# Altium PCB 电解模块主控板_V1.1_ZM_20210918.PcbDoc (part 2 of 2)
Units mil, origin at the board's own origin, x right, y up, seen from the top; angles counter-clockwise.
Board outline 5915.54 x 3947.37 mil, 2 copper layers (Top Layer, Bottom Layer); 200 components, 153 nets, 656 pads, 1536 vias.
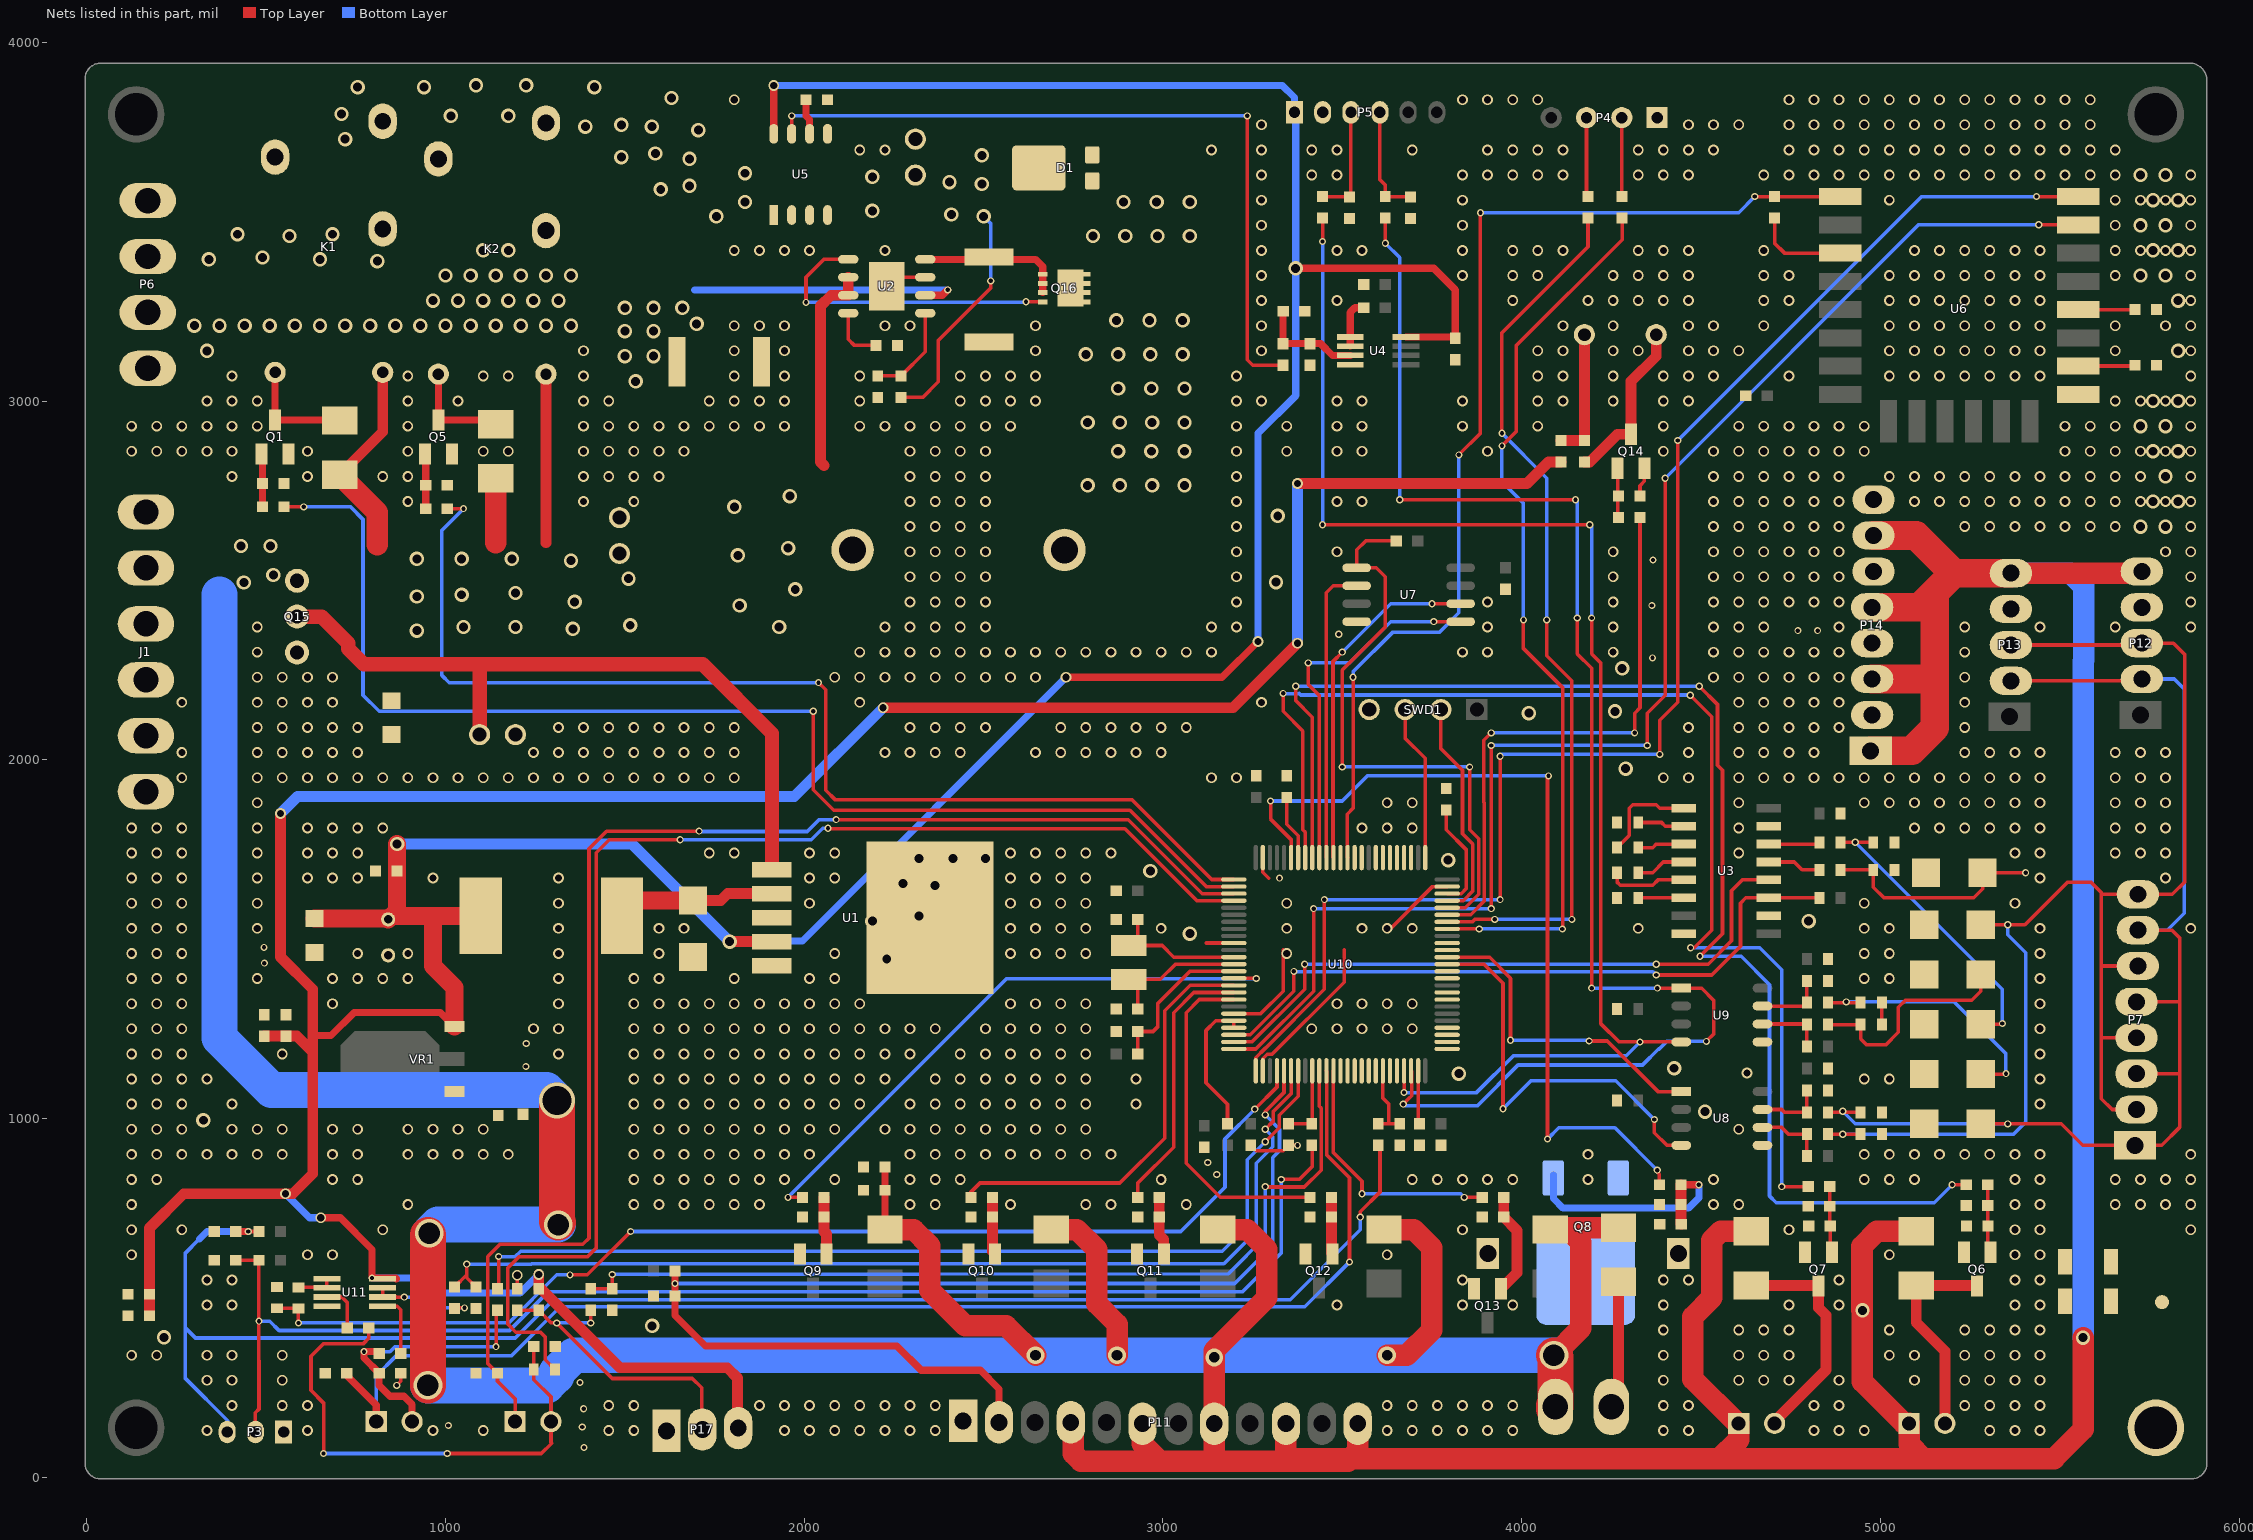
[diagram p2: the nets of this part, all layers, seen from the top]

## Via types
v1: diameter 30, hole 20, Top Layer to Bottom Layer, tented both sides, 1183 vias
v2: diameter 40, hole 25, Top Layer to Bottom Layer, tented both sides, 189 vias
v3: diameter 20, hole 12, Top Layer to Bottom Layer, tented both sides, 155 vias
v4: diameter 50, hole 30, Top Layer to Bottom Layer, tented both sides, 4 vias
v5: diameter 80, hole 60, Top Layer to Bottom Layer, tented both sides, 4 vias
v6: diameter 100, hole 80, Top Layer to Bottom Layer, tented both sides, 1 vias

## Nets (pads, with @x,y where several pads share a name; then routed paths per layer and width w, separated by ;. In a path a pad name is that pad's centre, name@x,y a point inside that pad or via, vN(x,y) a via of type N, cw(c..) or ccw(c..) an arc to the next point about the centre after c; other vN are vias at no path point) (continued)
GND: C1.2 C2.2 C3.1 C4.1 C5.1 C6.1 C7.2 C8.1 C9.1 C10.1 C11.2 C12.1 C13.1 C14.1 C15.1 C16.1 C17.1 C22.2 C24.2 C25.2 C27.2 C28.2 C29.2 C30.2 C31.2 C32.1 C33.2 C34.2 C35.2 C36.2 C37.1 C38.1 C39.1 C40.1 C42.2 C43.1 C44.2 C45.1 C46.1 C47.1 C49.1 C50.2 C51.1 C52.1 C54.2 C55.1 C56.1 C57.1 D3.1 D14.2 D15.2 D16.2 D17.2 D18.2 D19.2 J1.1 J1.2 J1.3 P3.1 P4.1 P5.2 P11.1 P12.4 P13.4 P14.2 P14.4 P14.6 P14.8 P17.1 Q1.2 Q5.2 Q6.2 Q7.2 Q8.2 Q8.4 Q8.5 Q9.2 Q10.2 Q11.2 Q12.2 Q13.2 Q14.2 Q15.1 R1.2 R3.2 R4.2 R13.2 R17.1 R21.1 R22.1 R28.1 R34.2 R35.2 R36.2 R42.2 R43.2 R44.2 R45.2 R46.2 R54.1 R55.2 R59.2 R70.2 R71.2 R72.1 R76.2 R77.2 R79.1 SWD1.4 TVS1.1 TVS2.1 TVS3.1 TVS4.1 TVS5.1 TVS6.1 TVS7.1 TVS8.1 TVS9.1 TVS10.1 TVS11.1 TVS12.1 U1.3 U1.5 U1.6 U2.7 U2.9 U3.8 U3.10 U3.15 U4.4 U5.5 U6.15 U7.4 U8.5 U9.5 U10.10 U10.20 U10.27 U10.74 U10.99 U11.4 VR1.1 | length 1529.9
  Top Layer w10: v3(864,256) 875,267 TVS6.1@875,290 ; TVS11.1@1200,525 v1(1200,563) ; U2.9@2230,3320 2255,3345 U2.7@2337.28,3345 ; 3120.94,1489.06 U10.10@3197.76,1489.06 ; U10.20@3197.76,1292.2 3272.2,1292.2 3335,1355 v1@3335,1470 ; 3260,910 3335,910 C38.1@3350,925 v3(3375,925) ; U10.27@3278.46,1132.76 3278.46,1166.51 3291.15,1179.19 3304.19,1179.19 3505,1380 3505,1470 ; U10.99@3278.46,1727.24 3278.46,1686.54 3295,1670 ; v1@3630,1525 3751.54,1646.54 U10.74@3792.24,1646.54 ; R59.2@4330,2735 4330,2764 4342,2776 4342,2812.35 Q14.2@4342.4,2812.76 ; C35.2@5004.06,1261.67 C34.2@5004.06,1322.78
  other v1: 335,130 615,130 965,130 1105,130 1455,130 1525,130 1945,130 2015,130 2085,130 2155,130 2225,130 2295,130 2365,130 3625,130 3695,130 3765,130 3835,130 3905,130 3975,130 4395,130 4465,130 4815,130 4885,130 4955,130 5305,130 5375,130 5445,130 405,200 545,200 615,200 1455,200 1525,200 1875,200 1945,200 2015,200 2085,200 2155,200 2225,200 2295,200 2365,200 3625,200 3695,200 3765,200 3835,200 3905,200 3975,200 4395,200 4465,200 4815,200 4885,200 5235,200 5305,200 5375,200 5445,200 335,270 405,270 545,270 4395,270 4605,270 4675,270 4745,270 4885,270 5095,270 5235,270 5305,270 5375,270 5445,270 125,340 195,340 335,340 405,340 545,340 4395,340 4605,340 4675,340 4745,340 5025,340 5095,340 5235,340 5305,340 5375,340 5445,340 4395,410 4605,410 4675,410 4745,410 5025,410 5235,410 5305,410 5375,410 5445,410 335,480 405,480 3485,480 3835,480 3975,480 4395,480 4745,480 4885,480 5375,480 5445,480 335,550 405,550 3835,550 4395,550 4465,550 4885,550 5375,550 5445,550 125,620 615,620 685,620 3625,620 5025,620 5375,620 5445,620 125,690 265,690 825,690 3835,690 4745,690 5375,690 5445,690 5865,690 125,760 895,760 1525,760 1595,760 1665,760 1735,760 1805,760 1875,760 2295,760 2365,760 2575,760 2785,760 2855,760 3065,760 4535,760 4605,760 5375,760 5445,760 5655,760 5725,760 5795,760 5865,760 125,830 195,830 685,830 755,830 1525,830 1595,830 1665,830 1735,830 1805,830 1875,830 1945,830 2085,830 2295,830 2365,830 2435,830 2995,830 3695,830 3765,830 3835,830 3905,830 3975,830 4185,830 4535,830 4955,830 5025,830 5095,830 5375,830 5445,830 5655,830 5725,830 5795,830 5865,830 125,900 195,900 265,900 335,900 405,900 475,900 545,900 685,900 755,900 895,900 965,900 1035,900 1105,900 1175,900 1525,900 1595,900 1665,900 1735,900 1805,900 1875,900 1945,900 2015,900 2295,900 2365,900 2435,900 2505,900 2575,900 2645,900 2715,900 2785,900 2855,900 4185,900 4955,900 5025,900 5095,900 5165,900 5235,900 5305,900 5375,900 5445,900 5865,900 125,970 195,970 265,970 405,970 475,970 545,970 685,970 755,970 895,970 965,970 1035,970 1105,970 1525,970 1595,970 1665,970 1735,970 1805,970 1875,970 1945,970 2015,970 2085,970 2225,970 2295,970 2365,970 2435,970 2505,970 2575,970 2645,970 2715,970 2785,970 4605,970 125,1040 195,1040 265,1040 405,1040 1525,1040 1595,1040 1665,1040 1735,1040 1805,1040 1875,1040 1945,1040 2015,1040 2085,1040 2155,1040 2295,1040 2365,1040 2435,1040 2505,1040 2575,1040 2645,1040 2715,1040 2785,1040 2925,1040 5445,1040 125,1110 195,1110 265,1110 335,1110 1525,1110 1595,1110 1665,1110 1735,1110 1805,1110 1875,1110 1945,1110 2015,1110 2085,1110 2155,1110 2225,1110 2365,1110 2435,1110 2505,1110 2575,1110 2645,1110 2715,1110 2785,1110 2925,1110 4955,1110 5025,1110 5445,1110 4628,1127 125,1180 195,1180 265,1180 545,1180 1315,1180 1525,1180 1595,1180 1665,1180 1735,1180 1805,1180 1875,1180 1945,1180 2015,1180 2085,1180 2155,1180 2225,1180 2295,1180 2435,1180 2505,1180 2575,1180 2645,1180 2715,1180 2785,1180 5445,1180 125,1250 195,1250 265,1250 1245,1250 1315,1250 1525,1250 1595,1250 1665,1250 1735,1250 1805,1250 1875,1250 1945,1250 2015,1250 2085,1250 2155,1250 2225,1250 2295,1250 2365,1250 2505,1250 2575,1250 2645,1250 2715,1250 2785,1250 3415,1250 3485,1250 3555,1250 3625,1250 3695,1250 5445,1250 125,1320 195,1320 265,1320 685,1320 1315,1320 1525,1320 1595,1320 1665,1320 1735,1320 1805,1320 1875,1320 1945,1320 2015,1320 2085,1320 2155,1320 2575,1320 2645,1320 2715,1320 2785,1320 3485,1320 3555,1320 3625,1320 3695,1320 5445,1320 125,1390 195,1390 265,1390 475,1390 685,1390 755,1390 825,1390 895,1390 1315,1390 1525,1390 1595,1390 1805,1390 2015,1390 2085,1390 4955,1390 5025,1390 5445,1390 125,1460 195,1460 265,1460 755,1460 895,1460 1315,1460 1595,1460 2085,1460 2575,1460 2645,1460 2715,1460 2785,1460 3345,1460 4955,1460 5025,1460 5445,1460 125,1530 195,1530 265,1530 475,1530 1315,1530 1595,1530 1665,1530 2575,1530 2645,1530 2715,1530 2785,1530 2995,1530 3345,1530 3555,1530 3625,1530 3695,1530 4325,1530 4955,1530 5025,1530 5445,1530 5865,1530 125,1600 195,1600 265,1600 475,1600 1315,1600 2015,1600 2575,1600 2645,1600 2715,1600 2785,1600 3345,1600 4955,1600 5375,1600 125,1670 195,1670 265,1670 475,1670 615,1670 685,1670 755,1670 965,1670 1315,1670 2015,1670 2085,1670 2575,1670 2645,1670 2715,1670 2785,1670 5445,1670 5795,1670 125,1740 195,1740 265,1740 475,1740 615,1740 685,1740 755,1740 1735,1740 1805,1740 2015,1740 2085,1740 2575,1740 2645,1740 2715,1740 2785,1740 2855,1740 4605,1740 5375,1740 5445,1740 5655,1740 5725,1740 5795,1740 125,1810 195,1810 265,1810 475,1810 615,1810 685,1810 755,1810 825,1810 3555,1810 3625,1810 3695,1810 4605,1810 5095,1810 5165,1810 5235,1810 5305,1810 5375,1810 5445,1810 5655,1810 5725,1810 5795,1810 475,1880 3625,1880 3695,1880 4605,1880 4955,1880 5025,1880 5095,1880 5165,1880 5235,1880 5305,1880 5375,1880 5445,1880 5655,1880 5725,1880 5795,1880 265,1950 475,1950 545,1950 615,1950 685,1950 755,1950 825,1950 895,1950 965,1950 1035,1950 1105,1950 1175,1950 1245,1950 1315,1950 1385,1950 1455,1950 1525,1950 1595,1950 1665,1950 1735,1950 1805,1950 3135,1950 3205,1950 4395,1950 4465,1950 4605,1950 4675,1950 4745,1950 4815,1950 4885,1950 4955,1950 5025,1950 5095,1950 5165,1950 5235,1950 5305,1950 5375,1950 5445,1950 5655,1950 5725,1950 5795,1950 265,2020 475,2020 545,2020 615,2020 685,2020 755,2020 1245,2020 1315,2020 1385,2020 1455,2020 1525,2020 1595,2020 1665,2020 1735,2020 1805,2020 2225,2020 2295,2020 2365,2020 2435,2020 2645,2020 2715,2020 2785,2020 2855,2020 2925,2020 2995,2020 4465,2020 4605,2020 4675,2020 4745,2020 4815,2020 5235,2020 5305,2020 5375,2020 5445,2020 5655,2020 5725,2020 5795,2020 475,2090 545,2090 615,2090 685,2090 755,2090 1315,2090 1385,2090 1455,2090 1525,2090 1595,2090 1665,2090 1735,2090 1805,2090 2295,2090 2365,2090 2435,2090 2505,2090 2715,2090 2785,2090 2855,2090 2925,2090 2995,2090 3065,2090 4465,2090 4605,2090 4675,2090 4745,2090 4815,2090 4885,2090 5235,2090 265,2160 475,2160 545,2160 615,2160 685,2160 2155,2160 3275,2160 4605,2160 4675,2160 4745,2160 4815,2160 4885,2160 5235,2160 475,2230 545,2230 615,2230 685,2230 2085,2230 2155,2230 2225,2230 2295,2230 2365,2230 2435,2230 2505,2230 2575,2230 2645,2230 4535,2230 4605,2230 4675,2230 4745,2230 4815,2230 4885,2230 5235,2230 475,2300 2155,2300 2225,2300 2295,2300 2365,2300 2435,2300 2505,2300 2575,2300 2645,2300 2715,2300 2785,2300 2855,2300 2925,2300 2995,2300 3065,2300 3135,2300 3835,2300 3905,2300 4255,2300 4535,2300 4605,2300 4675,2300 4745,2300 4815,2300 4885,2300 5235,2300 475,2370 2225,2370 2295,2370 2365,2370 2435,2370 2505,2370 3135,2370 3205,2370 3905,2370 4255,2370 4535,2370 4605,2370 4675,2370 4885,2370 5235,2370 5445,2370 5655,2370 5865,2370 2295,2440 2365,2440 2435,2440 2505,2440 3205,2440 3905,2440 4255,2440 4535,2440 4605,2440 4675,2440 4745,2440 4815,2440 4885,2440 5865,2440 2295,2510 2365,2510 2435,2510 2505,2510 3205,2510 4255,2510 4535,2510 4605,2510 4675,2510 4745,2510 4815,2510 4885,2510 5865,2510 2295,2580 2365,2580 2435,2580 2505,2580 3205,2580 3485,2580 4255,2580 4535,2580 4605,2580 4675,2580 4745,2580 4815,2580 4885,2580 5795,2580 5865,2580 2295,2650 2365,2650 2435,2650 2505,2650 3205,2650 4535,2650 4605,2650 4675,2650 4745,2650 4815,2650 4885,2650 5235,2650 5305,2650 5375,2650 5445,2650 5515,2650 5585,2650 5655,2650 5865,2650 895,2720 1385,2720 1525,2720 2295,2720 2365,2720 2435,2720 2505,2720 3205,2720 3485,2720 3555,2720 4535,2720 4605,2720 4675,2720 4745,2720 4815,2720 4885,2720 5095,2720 5165,2720 5235,2720 5305,2720 5375,2720 5445,2720 5515,2720 5585,2720 5655,2720 5725,2720 5795,2720 5865,2720 405,2790 615,2790 825,2790 895,2790 1385,2790 1455,2790 1525,2790 1595,2790 2295,2790 2365,2790 2435,2790 2505,2790 3205,2790 4535,2790 4605,2790 4675,2790 4745,2790 4815,2790 4885,2790 5025,2790 5095,2790 5165,2790 5235,2790 5305,2790 5375,2790 5445,2790 5515,2790 5585,2790 5655,2790 5725,2790 5865,2790 125,2860 195,2860 265,2860 335,2860 405,2860 615,2860 895,2860 1105,2860 1175,2860 1385,2860 1455,2860 1525,2860 1595,2860 1665,2860 2295,2860 2365,2860 2435,2860 2505,2860 3205,2860 3345,2860 3485,2860 3555,2860 3905,2860 4395,2860 4535,2860 4605,2860 4675,2860 4745,2860 4815,2860 4885,2860 4955,2860 5515,2860 5585,2860 5655,2860 5725,2860 5795,2860 5865,2860 125,2930 195,2930 265,2930 335,2930 405,2930 475,2930 895,2930 1385,2930 1455,2930 1525,2930 1595,2930 1665,2930 1735,2930 1805,2930 1875,2930 1945,2930 2155,2930 2225,2930 2295,2930 2365,2930 2435,2930 2505,2930 2575,2930 3205,2930 3345,2930 3485,2930 3555,2930 3835,2930 4045,2930 4395,2930 4605,2930 4675,2930 4745,2930 4815,2930 4885,2930 4955,2930 5515,2930 5585,2930 5655,2930 5865,2930 335,3000 405,3000 475,3000 895,3000 1035,3000 1385,3000 1455,3000 1735,3000 1805,3000 1875,3000 1945,3000 2155,3000 2435,3000 2505,3000 2575,3000 2645,3000 3205,3000 3275,3000 3485,3000 3555,3000 3835,3000 4045,3000 4115,3000 4255,3000 4395,3000 4465,3000 5655,3000 5725,3000 5795,3000 5865,3000 405,3070 895,3070 1105,3070 1175,3070 1385,3070 1805,3070 1945,3070 2155,3070 2435,3070 2505,3070 2575,3070 2645,3070 3205,3070 4045,3070 4115,3070 4255,3070 4395,3070 4465,3070 4535,3070 4745,3070 5025,3070 5095,3070 5165,3070 5235,3070 5305,3070 5375,3070 5445,3070 5865,3070 1385,3140 1805,3140 1945,3140 2645,3140 3275,3140 4045,3140 4115,3140 4255,3140 4325,3140 4465,3140 4535,3140 4605,3140 5025,3140 5095,3140 5165,3140 5235,3140 5305,3140 5375,3140 5445,3140 5655,3140 5865,3140 1805,3210 1875,3210 1945,3210 2225,3210 2295,3210 2645,3210 3275,3210 4115,3210 4255,3210 4465,3210 4535,3210 4675,3210 5025,3210 5095,3210 5165,3210 5235,3210 5305,3210 5375,3210 5445,3210 5655,3210 5795,3210 5865,3210 3275,3280 3485,3280 3975,3280 4185,3280 4255,3280 4325,3280 4395,3280 4465,3280 4675,3280 4745,3280 5025,3280 5095,3280 5165,3280 5235,3280 5305,3280 5375,3280 5445,3280 5865,3280 3275,3350 3835,3350 3975,3350 4045,3350 4255,3350 4325,3350 4395,3350 4465,3350 4675,3350 4745,3350 5025,3350 5095,3350 5165,3350 5235,3350 5305,3350 5375,3350 5445,3350 5655,3350 5865,3350 1805,3420 1875,3420 1945,3420 2015,3420 2225,3420 3275,3420 3485,3420 3555,3420 3835,3420 3975,3420 4045,3420 4115,3420 4325,3420 4395,3420 4465,3420 4675,3420 5095,3420 5165,3420 5235,3420 5305,3420 5375,3420 5445,3420 5655,3420 5725,3420 5795,3420 5865,3420 3275,3490 3835,3490 5655,3490 5865,3490 3275,3560 3835,3560 5025,3560 5655,3560 5725,3560 5795,3560 5865,3560 3275,3630 3415,3630 3485,3630 3835,3630 3905,3630 3975,3630 4045,3630 4115,3630 4325,3630 4395,3630 4465,3630 4675,3630 4745,3630 4815,3630 4885,3630 4955,3630 5025,3630 5095,3630 5165,3630 5235,3630 5305,3630 5375,3630 5445,3630 5515,3630 5585,3630 5655,3630 5865,3630 2155,3700 2225,3700 3135,3700 3275,3700 3415,3700 3485,3700 3695,3700 3905,3700 3975,3700 4045,3700 4115,3700 4325,3700 4395,3700 4465,3700 4535,3700 4745,3700 4815,3700 4885,3700 4955,3700 5025,3700 5095,3700 5165,3700 5235,3700 5305,3700 5375,3700 5445,3700 5515,3700 5585,3700 5655,3700 3275,3770 4465,3770 4535,3770 4605,3770 4745,3770 4815,3770 4885,3770 4955,3770 5025,3770 5095,3770 5165,3770 5235,3770 5305,3770 5375,3770 5445,3770 5515,3770 5585,3770 1805,3840 3835,3840 3905,3840 3975,3840 4045,3840 4745,3840 4815,3840 4885,3840 4955,3840 5025,3840 5095,3840 5165,3840 5235,3840 5305,3840 5375,3840 5445,3840 5515,3840 5585,3840
  other v2: 215,390 1576,422 325,995 4511,1019 3825,1125 4425,1140 2230,1445 3075,1515 2190,1550 4800,1550 2320,1565 2365,1650 2275,1655 2965,1690 3795,1720 2320,1725 2415,1725 2505,1725 4290,1975 4020,2130 4260,2135 4280,2255 3315,2495 5725,2650 5795,2650 3320,2680 5760,2720 5830,2720 5795,2790 5760,2860 5830,2860 5725,2930 5795,2930 5760,3000 5830,3000 5830,3140 5830,3280 5725,3350 5795,3350 5760,3420 5830,3420 5725,3490 5795,3490 5760,3560 5830,3560 5725,3630 5795,3630
  other v3: 1386,83 1381,140 1008,144 1385,191 1375,264 3150,844 3125,877 1224,1145 1225,1209 495,1433 494,1477 3325,1670 4365,2284 3490,2350 4770,2360 4825,2360 4363,2430 4366,2557
J3-2: C28.1 D15.1 R60.2 | length 632.1
  Top Layer w10: R60.2@4889.06,1693.33 C28.1@4980,1693.33 4980,1645 5010,1615 5260,1615 5285,1640 D15.1@5285,1685 v3(5405,1685)
J3-3: C27.1 D14.1 R47.2 | length 826.8
  Top Layer w10: R47.2@4889.06,1770 C27.1@4980,1770 ; D14.1@5280,1262.5 5337.5,1262.5 v3(5340,1265)
  Bottom Layer w10: v3(4930,1770) 5340,1360 v3(5340,1265)
J3-4: C31.1 D17.1 P7.2 P7.4 P7.6 P7.8 P12.3 P13.3 R69.2 | length 3842.9
  Top Layer w10: R69.2@4854.06,956.11 v3(4895,956.11) C31.1@4945,956.11 ; D17.1@5280,1540 v3(5355,1540) 5403,1540 5521,1658 5588,1658 5616,1630 5616,1221 ; P13.3@5363.94,2320 5723.94,2320 P12.3@5728.94,2325 5817,2325 5849,2293 5849,1660 5814,1625 P7.8@5717.87,1625 5621,1625 ; 5618,1425 P7.6@5717.87,1425 ; P7.2@5713.94,1025 5646,1025 5616,1055 5616,1221 ; P7.4@5713.94,1225 5620,1225 5616,1221
  Bottom Layer w10: v3(4895,956.11) 5371.11,956.11 5405,990 5405,1462 5355,1512 v3(5355,1540)
J3-7: C35.1 D19.1 R75.2 | length 622.2
  Top Layer w10: R75.2@4854.06,1261.67 C35.1@4945,1261.67 4945,1221.67 4961.67,1205 5015,1205 5050,1240 5050,1310 5070,1330 5255,1330 5280,1355 D19.1@5280,1401.25
J3-8: C34.1 D18.1 R74.2 | length 721.5
  Top Layer w10: R74.2@4854.06,1322.78 C34.1@4945,1322.78 ; D18.1@5280,1123.75 5348.75,1123.75 v3(5350,1125)
  Bottom Layer w10: v3(4905,1325) 5205,1325 5350,1180 v3(5350,1125)
J3-9: C30.1 D16.1 P7.1 P7.3 P7.5 P7.7 P12.2 P13.2 R62.2 | length 3330.1
  Top Layer w10: R62.2@4854.06,1017.22 C30.1@4945,1017.22 ; D16.1@5280,985 v3(5355,985) 5504,985 5564,925 P7.1@5710,925 5784,925 5834,975 5834,1126 ; P13.2@5363.94,2220 5723.94,2220 P12.2@5728.94,2225 ; P7.3@5713.94,1125 5833,1125 5834,1126 ; P7.5@5713.94,1325 5833,1325 5834,1324 ; P7.7@5717.87,1525 5813,1525 5834,1504 5834,1324 ; 5834,1126 5834,1324
  Bottom Layer w10: v3(4895,1020) 4930,985 v3(5355,985) ; P7.7@5717.87,1525 5800,1525 5847,1572 5847,2197 5819,2225 P12.2@5728.94,2225
LOW: P3.3 R5.2 R7.1 TVS1.2 | length 4474.1
  Top Layer w10: 460,685 R5.2@480,685 ; v3(3550,725) 3550,740 3605,795 3605,920 R7.1@3600,925
  Top Layer w20: TVS1.2@415,685 v3(450,685)
  Bottom Layer w10: 313.79,663.79 275,625 275,416 ; P3.3@392.52,126 392.52,157.48 275,275 275,416 ; v3(3550,725) 3550,690 3355,495 1301,495 1194,388 303,388 275,416
  Bottom Layer w20: 313.79,663.79 335,685 v3(450,685)
NetBEEP1_1: BEEP1.1 R56.1 R58.2 | length 355
  Top Layer w30: R56.1@4110,2890 R58.2@4175,2890 BEEP1.1@4175,3180
NetBEEP1_2: BEEP1.2 Q14.3 R58.1 | length 463.7
  Top Layer w30: R58.1@4175,2830 4190,2830 4267.24,2907.24 Q14.3@4305,2907.24 4305,3055 4375,3125 BEEP1.2@4375,3180
NetC6_2: C6.2 R24.1 U10.29 | length 3224.7
  Top Layer w10: C6.2@530,470.94 589.06,470.94 R24.1@590,470 v3(590,430) ; v3(1347,564) 1395,564 v3(1516,685) ; v3(3256,1026) 3317.83,1087.83 U10.29@3317.83,1132.76
  Bottom Layer w10: v3(590,430) 1176.5,430 1310.5,564 v3(1347,564) ; v3(1516,685) 3050,685 3173,808 3173,943 v3(3256,1026)
NetC12_2: C12.2 R18.1 U10.31 | length 2867
  Top Layer w10: R18.1@1025,530 1059,564 ; v3(1059,594) 1059,564 ; C12.2@1085,530 1059,556 1059,564 ; v3(3285,970) 3308,993 3308,1020 3357.2,1069.2 U10.31@3357.2,1132.76
  Bottom Layer w10: v3(1059,594) 1239,594 1240,595 3170,595 3260,685 3260,875 3306,921 3306,949 v3(3285,970)
NetC23_1: C23.1 U3.1 | length 283.9
  Top Layer w10: C23.1@4265.94,1755 4300,1789.06 4300,1865 4310,1875 4375,1875 4385,1865 U3.1@4451.5,1865
NetC23_2: C23.2 U3.3 | length 130.6
  Top Layer w10: C23.2@4325,1755 4365,1755 4375,1765 U3.3@4451.5,1765
NetC24_1: C24.1 U3.6 | length 126.5
  Top Layer w10: C24.1@4325,1615 U3.6@4451.5,1615
NetC25_1: C25.1 U3.2 | length 130.6
  Top Layer w10: C25.1@4325,1825 4390,1825 4400,1815 U3.2@4451.5,1815
NetC26_1: C26.1 U3.5 | length 221.5
  Top Layer w10: C26.1@4265.94,1685 4265.94,1659.06 4275,1650 4365,1650 4380,1665 U3.5@4451.5,1665
NetC26_2: C26.2 U3.4 | length 138.9
  Top Layer w10: C26.2@4325,1685 4365,1685 4395,1715 U3.4@4451.5,1715
NetC32_2: C32.2 pad.0@5767.72,137.8 R72.2 TP4.1
NetC36_1: C36.1 U10.12 Y1.2 | length 351.1
  Top Layer w10: C36.1@2930,1555 2930,1487.24 2935,1482.24 2997.76,1482.24 3030.31,1449.68 U10.12@3197.76,1449.68
NetC37_2: C37.2 R7.2 U10.44 | length 214.8
  Top Layer w10: R7.2@3600,985 3630,985 ; U10.44@3613.11,1132.76 3613.11,1056.89 3630,1040 3630,985 ; C37.2@3660,985 3630,985
NetC38_2: C38.2 R8.2 U10.34 | length 213.3
  Top Layer w10: C38.2@3350,985 R8.2@3415,985 3416.26,986.26 U10.34@3416.26,1132.76
NetC39_2: C39.2 U10.49 | length 149.2
  Top Layer w10: U10.49@3711.54,1132.76 3711.54,988.46 C39.2@3715,985
NetC40_2: C40.2 R78.1 U10.14 | length 437.8
  Top Layer w10: R78.1@2930,1180 C40.2@2930,1242.5 2972.5,1242.5 2985,1255 2985,1320 3075.31,1410.32 U10.14@3197.76,1410.32
NetC42_1: C42.1 U5.6 | length 99.1
  Top Layer w20: C42.1@2005,3840 2005,3795 2015,3785 U5.6@2015,3745
NetC44_1: C44.1 R17.2 R30.1 U4.3 | length 290.8
  Top Layer w20: R17.2@3335,3250 R30.1@3335,3160 C44.1@3410,3160 3440,3160 3472.8,3127.2 U4.3@3522.24,3127.2
NetC45_2: C45.2 U10.73 | length 301
  Top Layer w10: C45.2@3790,1860 3790,1805 3845,1750 3845,1640 3831.85,1626.85 U10.73@3792.24,1626.85
NetC46_2: C46.2 P11.2 R48.1 U10.30 | length 3447.7
  Top Layer w10: v3(3285,1010) 3285,1019.63 3337.52,1072.15 U10.30@3337.52,1132.76
  Top Layer w20: R48.1@1640,575 v3(1640,540) C46.2@1640,505 1640,451 1725,366 2258,366 2326,298 2491,298 2543,246 P11.2@2543,153.06
  Bottom Layer w10: v3(1640,540) 3200,540 3306,646 3306,891 3325,910 3325,970 v3(3285,1010)
NetC50_1: C50.1 U10.13 Y1.1 | length 403.4
  Top Layer w10: C50.1@2930,1305 2930,1362.76 Y1.1@2905,1387.76 2992.76,1387.76 3035,1430 U10.13@3197.76,1430
NetD1_1: D1.1 L2.2 Q16.2
  other v2: 2790,2765 2880,2765 2970,2765 3060,2765 2875,2860 2967.5,2860 3060,2860 2790,2940 2880,2940 2970,2940 3060,2940 2875,3035 2967.5,3035 3060,3035 2785,3130 2875,3130 2965,3130 3055,3130 2870,3225 2962.5,3225 3055,3225 2805,3460 2895,3460 2985,3460 3075,3460 2890,3555 2982.5,3555 3075,3555
NetD3_2: D3.2 L1.1 U1.2 | length 443.8
  Top Layer w30: L1.1@1491.85,1565 L1.1@1534.33,1607.48 ; D3.2@1690,1607.48 1767.48,1607.48 1786.93,1626.93 U1.2@1910,1626.93
  Top Layer w50: L1.1@1534.33,1607.48 D3.2@1690,1607.48
NetD4_1: D4.1 K1.4 Q1.3 | length 313.5
  Top Layer w20: K1.4@525,3080 Q1.3@525,2947.24 703.15,2947.24 D4.1@705,2945.39